# Altium PCB HMI_Board.PcbDoc (part 1 of 3) (continued)
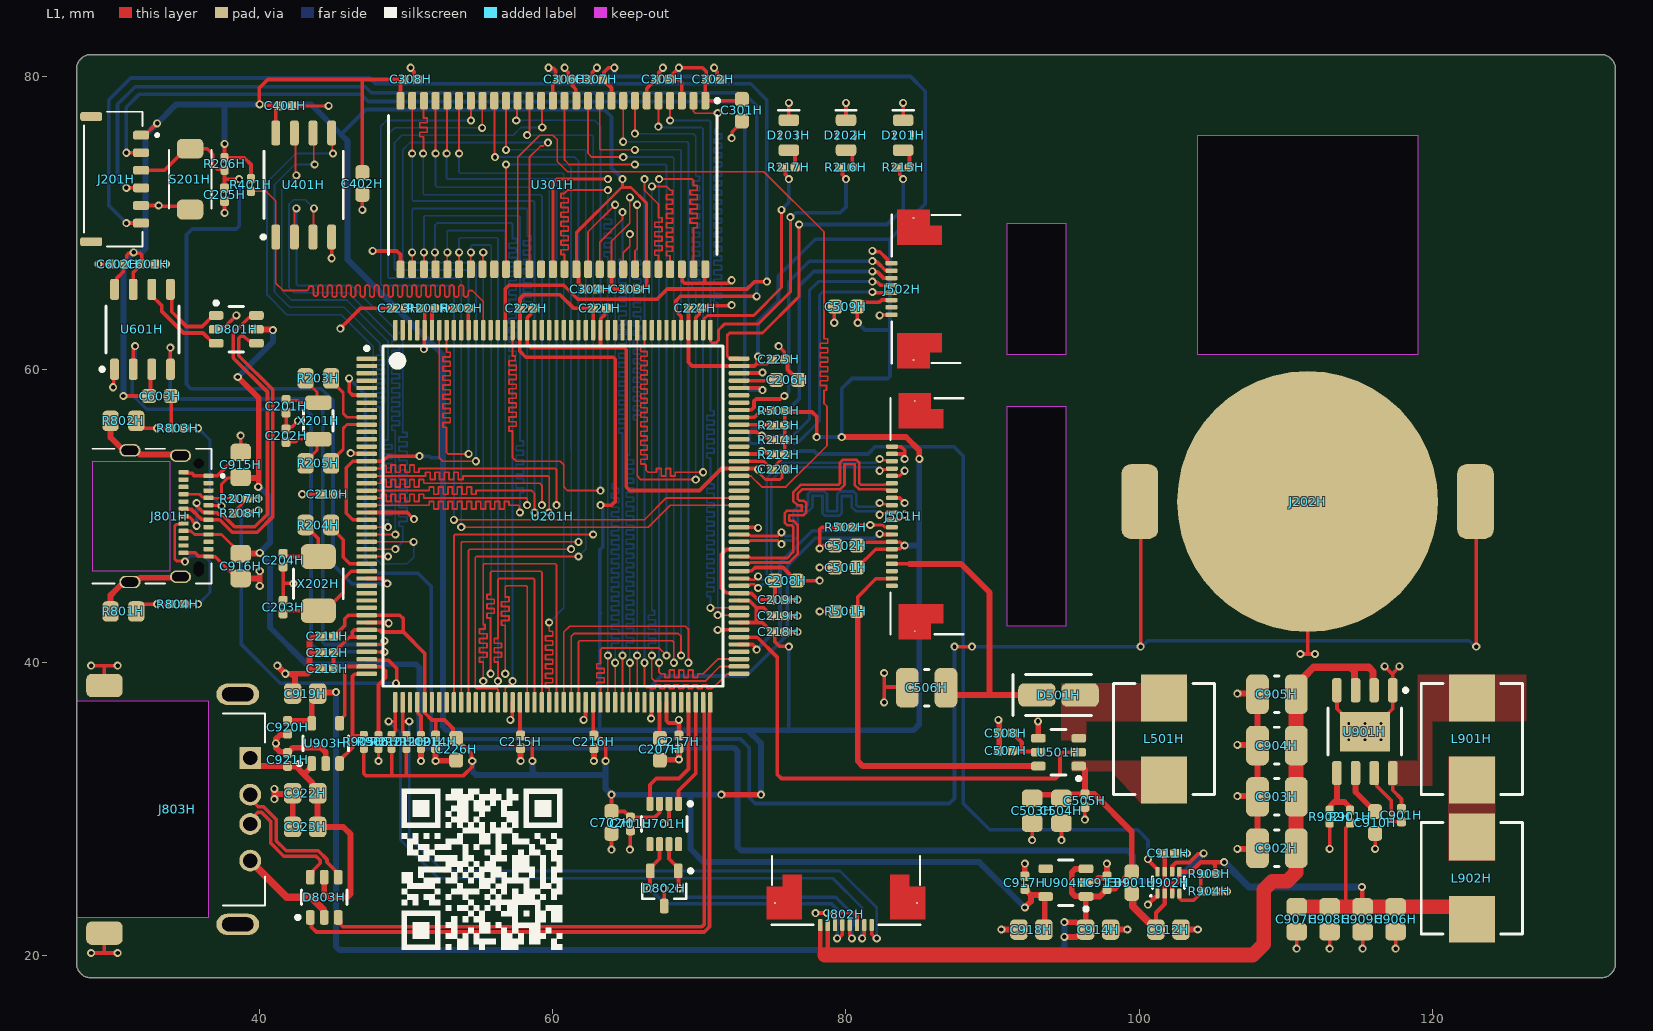
[diagram p0: L1 view]
## Components (designator, comment, footprint, x,y, rotation, side; value= is the part's Value field where it differs from the comment)
C201H "3pF Cap" "0402 CAPACITOR" 41.8,57.5 r90 top value=3pF
C202H "3pF Cap" "0402 CAPACITOR" 41.8,55.5 r270 top value=3pF
C203H "10pF Cap" "0402 CAPACITOR" 41.6,43.8 r270 top value=10pF
C204H "10pF Cap" "0402 CAPACITOR" 41.6,47 r90 top value=10pF
C205H "100nF Cap" "0402 CAPACITOR" 37.6,71.94 r90 top value=100nF
C206H "2.2uF Cap" "0603 CAPACITOR" 76,59.3 r180 top value=2.2uF
C207H "2.2uF Cap" "0603 CAPACITOR" 67.3,34.1 r90 top value=2.2uF
C208H "2.2uF Cap" "0603 CAPACITOR" 75.9,45.6 r180 top value=2.2uF
C209H "100nF Cap" "0402 CAPACITOR" 75.4,44.3 r180 top value=100nF
C210H "100nF Cap" "0402 CAPACITOR" 44.6,51.5 r0 top value=100nF
C211H "100nF Cap" "0402 CAPACITOR" 44.6,41.8 r0 top value=100nF
C212H "100nF Cap" "0402 CAPACITOR" 44.6,40.7 r0 top value=100nF
C213H "100nF Cap" "0402 CAPACITOR" 44.6,39.6 r0 top value=100nF
C214H "100nF Cap" "0402 CAPACITOR" 52,34.6 r90 top value=100nF
C215H "100nF Cap" "0402 CAPACITOR" 57.8,34.6 r90 top value=100nF
C216H "100nF Cap" "0402 CAPACITOR" 62.8,34.6 r90 top value=100nF
C217H "100nF Cap" "0402 CAPACITOR" 68.6,34.6 r90 top value=100nF
C218H "100nF Cap" "0402 CAPACITOR" 75.4,42.1 r180 top value=100nF
C219H "100nF Cap" "0402 CAPACITOR" 75.4,43.2 r180 top value=100nF
C220H "100nF Cap" "0402 CAPACITOR" 75.4,53.2 r180 top value=100nF
C221H "100nF Cap" "0402 CAPACITOR" 63.2,64.2 r180 top value=100nF
C222H "100nF Cap" "0402 CAPACITOR" 58.2,64.2 r180 top value=100nF
C223H "100nF Cap" "0402 CAPACITOR" 49.5,64.2 r0 top value=100nF
C224H "100nF Cap" "0402 CAPACITOR" 69.7,64.2 r180 top value=100nF
C225H "100nF Cap" "0402 CAPACITOR" 75.4,60.7 r180 top value=100nF
C226H "2.2uF Cap" "0603 CAPACITOR" 53.4,34.1 r90 top value=2.2uF
C301H "2.2uF Cap" "0603 CAPACITOR" 72.9,77.7 r90 top value=2.2uF
C302H "100nF Cap" "0402 CAPACITOR" 70.95,79.8 r180 top value=100nF
C303H "100nF Cap" "0402 CAPACITOR" 65.3,65.5 r0 top value=100nF
C304H "100nF Cap" "0402 CAPACITOR" 62.6,65.5 r180 top value=100nF
C305H "100nF Cap" "0402 CAPACITOR" 67.5,79.8 r0 top value=100nF
C306H "100nF Cap" "0402 CAPACITOR" 60.8,79.8 r180 top value=100nF
C307H "100nF Cap" "0402 CAPACITOR" 62.95,79.8 r0 top value=100nF
C308H "100nF Cap" "0402 CAPACITOR" 50.3,79.8 r180 top value=100nF
C401H "100nF Cap" "0402 CAPACITOR" 41.75,78 r180 top value=100nF
C402H "2.2uF Cap" "0603 CAPACITOR" 47,72.7 r90 top value=2.2uF
C501H "2.2uF Cap" "0603 CAPACITOR" 80,46.5 r0 top value=2.2uF
C502H "2.2uF Cap" "0603 CAPACITOR" 80,48 r0 top value=2.2uF
C503H "22uF Cap" "0805 CAPACITOR" 92.7,29.9 r90 top value=22uF
C504H "22uF Cap" "0805 CAPACITOR" 94.7,29.9 r90 top value=22uF
C505H "100nF Cap" "0402 CAPACITOR" 96.3,30.6 r90 top value=100nF
C506H "10uF HV Cap" "1210 Capacitor" 85.5,38.3 r0 top value=10uF
C507H "100nF Cap" "0402 CAPACITOR" 90.9,34 r0 top value=100nF
C508H "100nF Cap" "0402 CAPACITOR" 90.9,35.2 r0 top value=100nF
C509H "2.2uF Cap" "0603 CAPACITOR" 80,64.3 r0 top value=2.2uF
C601H "100nF Cap" "0402 CAPACITOR" 32.4,67.2 r180 top value=100nF
C602H "100nF Cap" "0402 CAPACITOR" 30.3,67.2 r0 top value=100nF
C603H "2.2uF Cap" "0603 CAPACITOR" 33.2,58.2 r180 top value=2.2uF
C701H "100nF Cap" "0402 CAPACITOR" 65.3,29 r90 top value=100nF
C702H "2.2uF Cap" "0603 CAPACITOR" 64,29.1 r90 top value=2.2uF
C901H "100nF Cap" "0402 CAPACITOR" 117.9,29.6 r90 top value=100nF
C902H "10uF HV Cap" "1210 CAPACITOR" 109.4,27.35 r0 top value=10uF
C903H "10uF HV Cap" "1210 CAPACITOR" 109.4,30.85 r0 top value=10uF
C904H "10uF HV Cap" "1210 CAPACITOR" 109.4,34.35 r0 top value=10uF
C905H "10uF HV Cap" "1210 CAPACITOR" 109.4,37.85 r0 top value=10uF
C906H "22uF Cap" "0805 CAPACITOR" 117.5,22.5 r90 top value=22uF
C907H "22uF Cap" "0805 CAPACITOR" 110.75,22.5 r90 top value=22uF
C908H "22uF Cap" "0805 CAPACITOR" 113,22.5 r90 top value=22uF
C909H "22uF Cap" "0805 CAPACITOR" 115.25,22.5 r90 top value=22uF
C910H "2.2uF Cap" "0603 CAPACITOR" 116.1,29.1 r90 top value=2.2uF
C911H "100nF Cap" "0402 CAPACITOR" 102,27 r180 top value=100nF
C912H "22uF Cap" "0805 CAPACITOR" 102,21.8 r180 top value=22uF
C913H "100nF Cap" "0402 CAPACITOR" 97.8,25 r270 top value=100nF
C914H "22uF Cap" "0805 CAPACITOR" 97.2,21.8 r180 top value=22uF
C915H "22uF Cap" "0805 CAPACITOR" 38.7,53.5 r270 top value=22uF
C916H "22uF Cap" "0805 CAPACITOR" 38.7,46.6 r90 top value=22uF
C917H "100nF Cap" "0402 CAPACITOR" 92.2,25 r270 top value=100nF
C918H "22uF Cap" "0805 CAPACITOR" 92.65,21.8 r0 top value=22uF
C919H "22uF Cap" "0805 CAPACITOR" 43.1,37.9 r0 top value=22uF
C920H "100nF Cap" "0402 CAPACITOR" 41.9,35.6 r90 top locked value=100nF
C921H "100nF Cap" "0402 CAPACITOR" 41.9,33.4 r270 top locked value=100nF
C922H "22uF Cap" "0805 CAPACITOR" 43.1,31.1 r0 top value=22uF
C923H "22uF Cap" "0805 CAPACITOR" 43.1,28.8 r0 top value=22uF
D201H "NCD0805R1" "0805 LED" 83.9,76 r90 top
D202H "NCD0805R1" "0805 LED" 80,76 r90 top
D203H "NCD0805R1" "0805 LED" 76.1,76 r90 top
D501H "SS210" "DO-214AC DIODE" 94.5,37.8 r180 top
D801H "USBLC6-2SC6" SOT23-6 38.4,62.75 r0 top
D802H "ESD2CANXL24DBZRQ1" SOT23-3 67.6,24.6 r270 top
D803H "USBLC6-2SC6" SOT23-6 44.4,24 r90 top locked
FB901H "BLM18KG300TN1D" "0603 FERRITE BEAD" 99.5,25 r90 top
J201H "SWD Header" "6 PIN SWD CONNECTOR" 30,73 r270 top
J202H "Battery header" "BAT-HLD-002-SMT BATTERY HOLDER" 111.5,51 r180 top
J501H "527452097" "527452097 20 PIN FPC" 88,50 r90 top locked
J502H "527450897_LCD" "527450897 FPC" 88,65.5 r90 top locked
J801H "12401826E412A" "12401826E412A USBC" 32.25,50 r270 top locked
J802H "527450897_CAN" "527450897 FPC" 80,27 r180 top locked
J803H "GSB12621A1EU" "GSB12621A1EU USB CONNECTOR" 38.5,30 r270 top locked
L501H "10uH Inductor" "SRP7028A INDUCTOR" 101.7,34.8 r90 top value=10uH
L901H "10uH Inductor" "SRP7028A INDUCTOR" 122.7,34.8 r270 top value=10uH
L902H "10uH Inductor" "SRP7028A INDUCTOR" 122.7,25.3 r270 top value=10uH
R201H "10k Res" "0402 RESISTOR" 51.5,64.2 r180 top value=10K
R202H "10k Res" "0402 RESISTOR" 53.8,64.2 r180 top value=10K
R203H "0 Res" "0805 RESISTOR" 44,59.4 r0 top value=0
R204H "0 Res" "0805 RESISTOR" 44,49.4 r180 top value=0
R205H "0 Res" "0805 RESISTOR" 44,53.6 r0 top value=0
R206H "10k Res" "0402 RESISTOR" 37.6,74.04 r90 top value=10K
R207H "12k Res" "0402 RESISTOR" 38.7,51.2 r180 top value=12K
R208H "18k Res" "0402 RESISTOR" 38.7,50.2 r180 top value=18k
R209H "10k Res" "0402 RESISTOR" 51,34.6 r90 top value=10K
R210H "5.1k Res" "0402 RESISTOR" 49,34.6 r270 top value=5.1k
R211H "5.1k Res" "0402 RESISTOR" 50,34.6 r270 top value=5.1k
R212H "10k Res" "0402 RESISTOR" 75.4,54.2 r0 top value=10K
R213H "5.1k Res" "0402 RESISTOR" 75.4,56.2 r0 top value=5.1k
R214H "5.1k Res" "0402 RESISTOR" 75.4,55.2 r0 top value=5.1k
R215H "1k Res" "0402 RESISTOR" 83.9,73.8 r180 top value=1k
R216H "1k Res" "0402 RESISTOR" 80,73.8 r180 top value=1k
R217H "1k Res" "0402 RESISTOR" 76.1,73.8 r180 top value=1k
R401H "10k Res" "0402 RESISTOR" 39.4,72.6 r90 top value=10K
R501H "1.1 Res" "0603 RESISTOR" 80,43.5 r0 top value=1.1
R502H "10k Res" "0402 RESISTOR" 80,49.25 r0 top value=10K
R503H "10k Res" "0402 RESISTOR" 75.4,57.2 r0 top value=10K
R801H "0 Res" "0805 RESISTOR" 30.7,43.5 r180 top value=0
R802H "0 Res" "0805 RESISTOR" 30.7,56.5 r180 top value=0
R803H "5.1k Res" "0402 RESISTOR" 34.4,56 r0 top value=5.1k
R804H "5.1k Res" "0402 RESISTOR" 34.4,44 r0 top value=5.1k
R901H "10k Res" "0402 RESISTOR" 114.4,29.5 r270 top value=10K
R902H "2.49k Res" "0402 RESISTOR" 113,29.5 r90 top value=2.49K
R903H "30k Res" "0402 RESISTOR" 104.8,25.6 r0 top value=30k
R904H "10k Res" "0402 RESISTOR" 104.8,24.4 r180 top value=10K
R905H "10k Res" "0402 RESISTOR" 47.1,34.6 r270 top value=10K
R906H "10k Res" "0402 RESISTOR" 48.1,34.6 r90 top value=10K
S201H "TS-1088-AR02016" "TS-1088-AR02016 PUSHBUTTON" 35.25,73 r270 top
U201H "STM32F469IIT6" LQFP176 60,50 r0 top locked
U301H "IS42S16800F-7TLI" TSOP54 60,72.6 r270 top locked
U401H "IS25LP128-JBLE-TR" SOIC8 43,72.6 r90 top locked
U501H "TPS61165DBVR" SOT23-6 94.5,33.9 r180 top
U601H "PL2303GL" SOP8 32,62.75 r90 top
U701H "TCAN332" SOT23-8 67.6,29 r270 top
U901H "LMR36520FADDAR" "SOIC8 WITH THERMAL PAD" 115.4,35.3 r270 top
U902H "TPS2117DRLR" "SOT 5X3" 102,25 r90 top
U903H "TPS2051CDBVR" SOT23-5 44.5,34.5 r90 top locked
U904H "TLV75733PDBVR" SOT23-5 95,25 r180 top
X201H "NX3215SA-32.768K_1" "3.2X1.5X0.8MM CRYSTAL" 44,56.5 r90 top
X202H "X50328MSB2GI" "5X3.2X1.2MM CRYSTAL" 44,45.4 r90 top

## Footprints (in the part's own frame and the unit in brackets; to place one, negate y for a bottom-side part, rotate by r counter-clockwise, add the part's x,y. Pads: shape width x height; smd on the part's side, far side on the other; paste and mask are expansions set on the pad)
"3.2X1.5X0.8MM CRYSTAL" [mm]
  rrect50% 1x1.8 smd: 1(-1.25,0) 2(1.25,0)
  silkscreen extent -0.7,-1 0.7,1, body extent -1.6,-0.75 1.6,0.75, height 0.8
"5X3.2X1.2MM CRYSTAL" [mm]
  rrect50% 1.7x2.4 smd: 1(-1.85,0) 2(1.85,0)
  silkscreen extent -1,-1.7 1,1.7, body extent -2.5,-1.6 2.5,1.6, height 0.8
"6 PIN SWD CONNECTOR" [mm]
  rrect50% 0.6x1.1 smd: 1(-3,1.9) 2(-1.8,1.9) 3(-0.6,1.9) 4(0.6,1.9) 5(1.8,1.9) 6(3,1.9)
  rrect50% 0.6x1.5 smd: MP1(-4.27,-1.5) MP2(4.27,-1.5)
  silkscreen extent -4.6,-2 4.6,3.1, body extent -4.6,-2 4.6,2.2, height 2.5
"0402 CAPACITOR" [mm] "Chip Capacitor, 2-Leads, Body 1.00x0.50mm, IPC Medium Density"
  rrect50% 0.66x0.62 smd: 1(-0.44,0) 2(0.44,0)
  body extent -0.5,-0.25 0.5,0.25, height 0.5
"0402 RESISTOR" [mm] "Chip Resistor, 2-Leads, Body 1.00x0.50mm, IPC Medium Density"
  rrect50% 0.65x0.55 smd: 1(-0.425,0) 2(0.425,0)
  body extent -0.5,-0.25 0.5,0.25, height 0.35
"0603 CAPACITOR" [mm] "Chip Capacitor, 2-Leads, Body 1.60x0.80mm, IPC Medium Density"
  rrect50% 1x0.95 smd: 1(-0.75,0) 2(0.75,0)
  body extent -0.8,-0.4 0.8,0.4, height 0.8
"0603 FERRITE BEAD" [mm] "Chip Ferrite Bead, 2-Leads, Body 1.60x0.80mm, IPC Medium Density"
  rrect50% 1.02x0.98 smd: 1(-0.74,0) 2(0.74,0)
  body extent -0.8,-0.4 0.8,0.4, height 0.8
"0603 RESISTOR" [mm] "Chip Resistor, 2-Leads, Body 1.60x0.80mm, IPC Medium Density"
  rrect50% 0.95x0.9 smd: 1(-0.725,0) 2(0.725,0)
  body extent -0.8,-0.4 0.8,0.4, height 0.45
"0805 CAPACITOR" [mm] "Chip Capacitor, 2-Leads, Body 2.00x1.25mm, IPC Medium Density"
  rrect50% 1.2x1.4 smd: 1(-0.85,0) 2(0.85,0)
  body extent -1,-0.63 1,0.63, height 1.25
"0805 LED" [mm] "Chip LED. 2-Leads, Body 2.00x1.25mm, IPC Medium Density"
  rrect50% 0.8x1.4 smd: 1(-1.025,0) 2(1.025,0)
  silkscreen extent -0.25,-0.7 1.7,0.7, body extent -1,-0.63 1,0.63, height 0.78
"0805 RESISTOR" [mm] "Chip Resistor, 2-Leads, Body 2.00x1.25mm, IPC Medium Density"
  rrect50% 1.1x1.4 smd: 1(-0.875,0) 2(0.875,0)
  body extent -1,-0.63 1,0.63, height 0.5
"1210 Capacitor" [mm] "Chip Capacitor, 2-Leads, Body 3.20x2.50mm, IPC Medium Density"
  rrect50% 1.55x2.7 smd: 1(-1.325,0) 2(1.325,0)
  silkscreen extent -0.15,-1.25 0.15,1.25, body extent -1.6,-1.25 1.6,1.25, height 1.9
"1210 CAPACITOR" [mm] "Chip Capacitor, 2-Leads, Body 3.20x2.50mm, IPC Medium Density"
  rrect50% 1.55x2.7 smd: 1(-1.325,0) 2(1.325,0)
  silkscreen extent -0.15,-1.25 0.15,1.25, body extent -1.6,-1.25 1.6,1.25, height 1.9
"12401826E412A USBC" [mm]
  rrect50% 0.3x0.7 smd mask+0.049: A1(-2.75,4.25) A2(-2.25,4.25) A3(-1.75,4.25) A4(-1.25,4.25) A5(-0.75,4.25) A6(-0.25,4.25) A7(0.25,4.25) A8(0.75,4.25) A9(1.25,4.25) A10(1.75,4.25) A11(2.25,4.25) A12(2.75,4.25) B1(2.5,2.55) B2(2,2.55) B3(1.5,2.55) B4(1,2.55) B5(0.5,2.55) B6(0,2.55) B7(-0.5,2.55) B8(-1,2.55) B9(-1.5,2.55) B10(-2,2.55) B11(-2.5,2.55) B12(-3,2.55)
  oval 0.85x1.45 hole 0.62 slot 1.15 at 90 deg: SH1(-4.49,-1.11) SH2(4.49,-1.11)
  oval 0.85x1.45 hole 0.62 slot 1.15 at 90 deg mask+0.05: SH3(-4.13,2.34) SH4(4.13,2.34)
  round 0 / inner round 0.9 / far side round 0 hole 0.7 unplated mask+0.05: ""(-3.6,3.59)
  round 0 / inner round 0.9 / far side round 0 hole 0.7 slot 1 at 0 deg unplated mask+0.05: ""(3.6,3.59)
  Keep-Out Layer region: 3.75,-3.65 -3.75,-3.65 -3.75,1.6 3.75,1.6
  silkscreen extent -4.6,-3.65 4.6,5.33, body extent -4.6,-6 4.6,4.5, height 3.3
"527450897 FPC" [mil]
  rrect50% 12x32 smd mask+4: 1(-68.9,192.79) 2(-49.21,192.79) 3(-29.53,192.79) 4(-9.84,192.79) 5(9.84,192.79) 6(29.53,192.79) 7(49.21,192.79) 8(68.9,192.79)
  rect 5x5 smd: P1(-190.94,133.73) P2(190.94,133.73)
  L1 region: -118.44,57.17 -169.44,57.17 -169.44,90.23 -212.44,90.23 -212.44,177.23 -118.44,177.23
  L1 region: 212.44,90.23 169.44,90.23 169.44,57.17 118.44,57.17 118.44,177.23 212.44,177.23
  silkscreen extent -200,7 200,192, body extent -199,-2 199,195, height 75
"527452097 20 PIN FPC" [mm]
  rrect50% 0.3x0.8 smd: 1(-4.75,4.868) 2(-4.25,4.868) 3(-3.75,4.868) 4(-3.25,4.868) 5(-2.75,4.868) 6(-2.25,4.868) 7(-1.75,4.868) 8(-1.25,4.868) 9(-0.75,4.868) 10(-0.25,4.868) 11(0.25,4.868) 12(0.75,4.868) 13(1.25,4.868) 14(1.75,4.868) 15(2.25,4.868) 16(2.75,4.868) 17(3.25,4.868) 18(3.75,4.868) 19(4.25,4.868) 20(4.75,4.868)
  rect 0.127x0.127 smd: P1(-7.85,3.313) P2(7.85,3.313)
  L1 region: 8.396,2.208 7.304,2.208 7.304,1.368 6.009,1.368 6.009,4.418 8.396,4.418
  L1 region: -6.008,1.368 -7.304,1.368 -7.304,2.208 -8.396,2.208 -8.396,4.418 -6.008,4.418
  silkscreen extent -8.05,-0.02 8.05,4.96, body extent -8.05,-0.11 8.05,4.89, height 1.91
"BAT-HLD-002-SMT BATTERY HOLDER" [mm]
  round 17.8 smd paste-10: N(0,0)
  rrect50% 2.5x5.1 smd: P1(-11.45,0) P2(11.45,0)
  body extent -11.43,-7.87 11.43,7.62, height 2.79
"DO-214AC DIODE" [mm] "Molded Diode, 2-Leads, Body 4.15x2.55mm, IPC Medium Density"
  rrect50% 2.55x1.6 smd: 1(-1.475,0) 2(1.475,0)
  silkscreen extent -2.25,-1.4 3.1,1.4, body extent -2.6,-1.3 2.6,1.3, height 2.29
"GSB12621A1EU USB CONNECTOR" [mm]
  rect 1.488x1.488 hole 0.98 mask+0.102: 1(-3.5,0.85)
  round 1.488 hole 0.98 mask+0.102: 2(-1,0.85) 3(1,0.85) 4(3.5,0.85)
  oval 1.458x2.916 hole 0.95 slot 2.15 at 90 deg mask+0.102: S1(-7.85,0) S2(7.85,0)
  rrect50% 1.6x2.5 smd paste+0 mask+0.102: S3(-8.45,-9.1) S4(8.45,-9.1)
  silkscreen extent -6.55,-1 6.55,1.85, body extent -8.6,-12.15 8.6,1.85, height 4.32
LQFP176 [mm] "TSQFP, 176-Leads, Body 24.00x24.00mm, Pitch 0.50mm, IPC Medium Density"
  rrect50% 1.4x0.3 smd: 1(-12.7,10.75) 2(-12.7,10.25) 3(-12.7,9.75) 4(-12.7,9.25) 5(-12.7,8.75) 6(-12.7,8.25) 7(-12.7,7.75) 8(-12.7,7.25) 9(-12.7,6.75) 10(-12.7,6.25) 11(-12.7,5.75) 12(-12.7,5.25) 13(-12.7,4.75) 14(-12.7,4.25) 15(-12.7,3.75) 16(-12.7,3.25) 17(-12.7,2.75) 18(-12.7,2.25) 19(-12.7,1.75) 20(-12.7,1.25) 21(-12.7,0.75) 22(-12.7,0.25) 23(-12.7,-0.25) 24(-12.7,-0.75) 25(-12.7,-1.25) 26(-12.7,-1.75) 27(-12.7,-2.25) 28(-12.7,-2.75) 29(-12.7,-3.25) 30(-12.7,-3.75) 31(-12.7,-4.25) 32(-12.7,-4.75) 33(-12.7,-5.25) 34(-12.7,-5.75) 35(-12.7,-6.25) 36(-12.7,-6.75) 37(-12.7,-7.25) 38(-12.7,-7.75) 39(-12.7,-8.25) 40(-12.7,-8.75) 41(-12.7,-9.25) 42(-12.7,-9.75) 43(-12.7,-10.25) 44(-12.7,-10.75) 89(12.7,-10.75) 90(12.7,-10.25) 91(12.7,-9.75) 92(12.7,-9.25) 93(12.7,-8.75) 94(12.7,-8.25) 95(12.7,-7.75) 96(12.7,-7.25) 97(12.7,-6.75) 98(12.7,-6.25) 99(12.7,-5.75) 100(12.7,-5.25) 101(12.7,-4.75) 102(12.7,-4.25) 103(12.7,-3.75) 104(12.7,-3.25) 105(12.7,-2.75) 106(12.7,-2.25) 107(12.7,-1.75) 108(12.7,-1.25) 109(12.7,-0.75) 110(12.7,-0.25) 111(12.7,0.25) 112(12.7,0.75) 113(12.7,1.25) 114(12.7,1.75) 115(12.7,2.25) 116(12.7,2.75) 117(12.7,3.25) 118(12.7,3.75) 119(12.7,4.25) 120(12.7,4.75) 121(12.7,5.25) 122(12.7,5.75) 123(12.7,6.25) 124(12.7,6.75) 125(12.7,7.25) 126(12.7,7.75) 127(12.7,8.25) 128(12.7,8.75) 129(12.7,9.25) 130(12.7,9.75) 131(12.7,10.25) 132(12.7,10.75)
  rrect50% 0.3x1.4 smd: 45(-10.75,-12.7) 46(-10.25,-12.7) 47(-9.75,-12.7) 48(-9.25,-12.7) 49(-8.75,-12.7) 50(-8.25,-12.7) 51(-7.75,-12.7) 52(-7.25,-12.7) 53(-6.75,-12.7) 54(-6.25,-12.7) 55(-5.75,-12.7) 56(-5.25,-12.7) 57(-4.75,-12.7) 58(-4.25,-12.7) 59(-3.75,-12.7) 60(-3.25,-12.7) 61(-2.75,-12.7) 62(-2.25,-12.7) 63(-1.75,-12.7) 64(-1.25,-12.7) 65(-0.75,-12.7) 66(-0.25,-12.7) 67(0.25,-12.7) 68(0.75,-12.7) 69(1.25,-12.7) 70(1.75,-12.7) 71(2.25,-12.7) 72(2.75,-12.7) 73(3.25,-12.7) 74(3.75,-12.7) 75(4.25,-12.7) 76(4.75,-12.7) 77(5.25,-12.7) 78(5.75,-12.7) 79(6.25,-12.7) 80(6.75,-12.7) 81(7.25,-12.7) 82(7.75,-12.7) 83(8.25,-12.7) 84(8.75,-12.7) 85(9.25,-12.7) 86(9.75,-12.7) 87(10.25,-12.7) 88(10.75,-12.7) 133(10.75,12.7) 134(10.25,12.7) 135(9.75,12.7) 136(9.25,12.7) 137(8.75,12.7) 138(8.25,12.7) 139(7.75,12.7) 140(7.25,12.7) 141(6.75,12.7) 142(6.25,12.7) 143(5.75,12.7) 144(5.25,12.7) 145(4.75,12.7) 146(4.25,12.7) 147(3.75,12.7) 148(3.25,12.7) 149(2.75,12.7) 150(2.25,12.7) 151(1.75,12.7) 152(1.25,12.7) 153(0.75,12.7) 154(0.25,12.7) 155(-0.25,12.7) 156(-0.75,12.7) 157(-1.25,12.7) 158(-1.75,12.7) 159(-2.25,12.7) 160(-2.75,12.7) 161(-3.25,12.7) 162(-3.75,12.7) 163(-4.25,12.7) 164(-4.75,12.7) 165(-5.25,12.7) 166(-5.75,12.7) 167(-6.25,12.7) 168(-6.75,12.7) 169(-7.25,12.7) 170(-7.75,12.7) 171(-8.25,12.7) 172(-8.75,12.7) 173(-9.25,12.7) 174(-9.75,12.7) 175(-10.25,12.7) 176(-10.75,12.7)
  silkscreen extent -12.82,-11.6 11.6,11.6, body extent -13.01,-13.01 13.01,13.01, height 1.38
SOIC8 [mm] "SOIC, 8-Leads, Body 5.28x5.28mm, Pitch 1.27mm, IPC Medium Density"
  rrect50% 1.7x0.6 smd: 1(-3.55,1.905) 2(-3.55,0.635) 3(-3.55,-0.635) 4(-3.55,-1.905) 5(3.55,-1.905) 6(3.55,-0.635) 7(3.55,0.635) 8(3.55,1.905)
  silkscreen extent -3.67,-2.7 2.3,2.88, body extent -3.76,-2.7 3.76,2.7, height 1.7
"SOIC8 WITH THERMAL PAD" [mm] "SOIC, 8-Leads, Body 4.90x3.90mm, Pitch 1.27mm, Thermal Pad 3.40x2.71mm, IPC Low Density"
  rrect50% 1.65x0.65 smd: 1(-2.825,1.905) 2(-2.825,0.635) 3(-2.825,-0.635) 4(-2.825,-1.905) 5(2.825,-1.905) 6(2.825,-0.635) 7(2.825,0.635) 8(2.825,1.905)
  rect 2.71x3.4 smd: 9(0,0)
  silkscreen extent -2.95,-2.5 1.6,2.91, body extent -3.01,-2.45 3.01,2.45, height 1.7
SOP8 [mm] "SOP, 8-Leads, Body 4.90x3.90mm, Pitch 1.27mm, IPC Medium Density"
  rrect50% 1.45x0.6 smd: 1(-2.725,1.905) 2(-2.725,0.635) 3(-2.725,-0.635) 4(-2.725,-1.905) 5(2.725,-1.905) 6(2.725,-0.635) 7(2.725,0.635) 8(2.725,1.905)
  silkscreen extent -2.85,-2.5 1.6,2.88, body extent -3.1,-2.5 3.1,2.5, height 1.81
SOT23-3 [mm] "SOT23, 3-Leads, Body 2.00x2.10mm, Pitch 0.65mm, IPC Medium Density"
  rrect50% 1x0.6 smd: 1(-1.2,0.95) 2(-1.2,-0.95) 3(1.2,0)
  silkscreen extent -1.32,-1.5 0.7,1.93, body extent -1.25,-1.5 1.25,1.5, height 1.1
SOT23-5 [mm] "SOT23, 5-Leads, Body 2.90x2.80mm, Pitch 0.95mm, IPC Medium Density"
  rrect50% 1x0.6 smd: 1(-1.375,0.95) 2(-1.375,0) 3(-1.375,-0.95) 4(1.375,-0.95) 5(1.375,0.95)
  silkscreen extent -1.5,-1.55 0.5,1.92, body extent -1.25,-1.5 1.25,1.5, height 1.1
SOT23-6 [mm] "SOT23, 6-Leads, Body 2.93x2.80mm, Pitch 0.95mm, IPC Medium Density"
  rrect50% 1x0.6 smd: 1(-1.375,0.95) 2(-1.375,0) 3(-1.375,-0.95) 4(1.375,-0.95) 5(1.375,0) 6(1.375,0.95)
  silkscreen extent -1.5,-1.55 0.5,1.92, body extent -1.25,-1.5 1.25,1.5, height 1.1
SOT23-8 [mm]
  rrect50% 0.95x0.5 smd mask+0.102: 1(-1.375,0.975) 2(-1.375,0.325) 3(-1.375,-0.325) 4(-1.375,-0.975) 5(1.375,-0.975) 6(1.375,-0.325) 7(1.375,0.325) 8(1.375,0.975)
  silkscreen extent -1.5,-1.55 0.5,1.9, body extent -1.25,-1.5 1.25,1.5, height 1.1
"SOT 5X3" [mm]
  rrect50% 0.67x0.3 smd mask+0.049: 1(-0.74,0.75) 2(-0.74,0.25) 3(-0.74,-0.25) 4(-0.74,-0.75) 5(0.74,-0.75) 6(0.74,-0.25) 7(0.74,0.25) 8(0.74,0.75)
  silkscreen extent -0.96,-1.1 0.4,1.26, body extent -0.8,-1.05 0.8,1.05, height 0.6
"SRP7028A INDUCTOR" [mm] "Precision Wire Wound Inductor, 2-Leads, Body 7.30x6.60mm, IPC Medium Density"
  rect 3.2x3.15 smd: 1(-2.8,0) 2(2.8,0)
  silkscreen extent -3.8,-3.45 3.8,3.45, body extent -3.65,-3.35 3.65,3.25, height 3
"TS-1088-AR02016 PUSHBUTTON" [mm]
  rrect50% 1.35x1.8 smd: 1(-2.075,0) 2(2.075,0)
  silkscreen extent -2,-1.45 2,1.45, body extent -2.4,-1.45 2.4,1.45, height 2
TSOP54 [mm] "TSOP, 54-Leads, Body 22.22x10.16mm, Pitch 0.80mm, IPC Medium Density"
  rrect50% 1.2x0.55 smd: 1(-5.75,10.4) 2(-5.75,9.6) 3(-5.75,8.8) 4(-5.75,8) 5(-5.75,7.2) 6(-5.75,6.4) 7(-5.75,5.6) 8(-5.75,4.8) 9(-5.75,4) 10(-5.75,3.2) 11(-5.75,2.4) 12(-5.75,1.6) 13(-5.75,0.8) 14(-5.75,0) 15(-5.75,-0.8) 16(-5.75,-1.6) 17(-5.75,-2.4) 18(-5.75,-3.2) 19(-5.75,-4) 20(-5.75,-4.8) 21(-5.75,-5.6) 22(-5.75,-6.4) 23(-5.75,-7.2) 24(-5.75,-8) 25(-5.75,-8.8) 26(-5.75,-9.6) 27(-5.75,-10.4) 28(5.75,-10.4) 29(5.75,-9.6) 30(5.75,-8.8) 31(5.75,-8) 32(5.75,-7.2) 33(5.75,-6.4) 34(5.75,-5.6) 35(5.75,-4.8) 36(5.75,-4) 37(5.75,-3.2) 38(5.75,-2.4) 39(5.75,-1.6) 40(5.75,-0.8) 41(5.75,0) 42(5.75,0.8) 43(5.75,1.6) 44(5.75,2.4) 45(5.75,3.2) 46(5.75,4) 47(5.75,4.8) 48(5.75,5.6) 49(5.75,6.4) 50(5.75,7.2) 51(5.75,8) 52(5.75,8.8) 53(5.75,9.6) 54(5.75,10.4)
  silkscreen extent -5.87,-11.2 4.75,11.35, body extent -5.88,-11.11 5.88,11.11, height 1.2

## Part data
C201H C202H: "0402 3 pF 50V ±0.1 pF Tolerance C0G SMT Multilayer Ceramic Capacitor", Manufacturer=Murata, Manufacturer Part Number=GJM1555C1H3R0BB01D, Supplier Part Number=C88891, ComponentLink1Description=https://datasheet.octopart.com:443/GJM1555C1H3R0BB01D-Murata-datasheet-39128464.pdf?src-supplier=Newark, ComponentLink1URL=https://datasheet.octopart.com:443/GJM1555C1H3R0BB01D-Murata-datasheet-39128464.pdf?src-supplier=Newark, ComponentLink2Description=https://datasheet.octopart.com:443/GJM1555C1H3R0BB01D-Murata-datasheet-62316978.pdf?src-supplier=element14+APAC, ComponentLink2URL=https://datasheet.octopart.com:443/GJM1555C1H3R0BB01D-Murata-datasheet-62316978.pdf?src-supplier=element14+APAC, ComponentLink3Description=https://datasheet.octopart.com:443/GJM1555C1H3R0BB01D-Murata-datasheet-165579666.pdf?src-supplier=TME, ComponentLink3URL=https://datasheet.octopart.com:443/GJM1555C1H3R0BB01D-Murata-datasheet-165579666.pdf?src-supplier=TME, ComponentLink4Description=https://datasheet.octopart.com:443/GJM1555C1H3R0BB01D-Murata-datasheet-12511495.pdf?src-supplier=TME, ComponentLink4URL=https://datasheet.octopart.com:443/GJM1555C1H3R0BB01D-Murata-datasheet-12511495.pdf?src-supplier=TME, ComponentLink5Description=https://datasheet.octopart.com:443/GJM1555C1H3R0BB01D-Murata-datasheet-141266224.pdf?src-supplier=Ciiva, ComponentLink5URL=https://datasheet.octopart.com:443/GJM1555C1H3R0BB01D-Murata-datasheet-141266224.pdf?src-supplier=Ciiva, ComponentLink6Description=https://datasheet.octopart.com:443/GJM1555C1H3R0BB01D-Murata-datasheet-140665410.pdf?src-supplier=Ciiva, ComponentLink6URL=https://datasheet.octopart.com:443/GJM1555C1H3R0BB01D-Murata-datasheet-140665410.pdf?src-supplier=Ciiva, ComponentLink7Description=https://datasheet.octopart.com:443/GJM1555C1H3R0BB01D-Murata-datasheet-138724696.pdf?src-supplier=Ciiva, ComponentLink7URL=https://datasheet.octopart.com:443/GJM1555C1H3R0BB01D-Murata-datasheet-138724696.pdf?src-supplier=Ciiva, ComponentLink8Description=https://datasheet.octopart.com:443/GJM1555C1H3R0BB01D-Murata-datasheet-22122223.pdf?src-supplier=Future+Electronics, ComponentLink8URL=https://datasheet.octopart.com:443/GJM1555C1H3R0BB01D-Murata-datasheet-22122223.pdf?src-supplier=Future+Electronics, ComponentLink9Description=https://datasheet.octopart.com:443/GJM1555C1H3R0BB01D-Murata-datasheet-41960703.pdf?src-supplier=Future+Electronics, ComponentLink9URL=https://datasheet.octopart.com:443/GJM1555C1H3R0BB01D-Murata-datasheet-41960703.pdf?src-supplier=Future+Electronics, ComponentLink10Description=https://datasheet.octopart.com/GJM1555C1H3R0BB01D-Murata-datasheet-12515295.pdf, ComponentLink10URL=https://datasheet.octopart.com/GJM1555C1H3R0BB01D-Murata-datasheet-12515295.pdf, ComponentLink11Description=https://datasheet.octopart.com/GJM1555C1H3R0BB01D-Murata-datasheet-12510076.pdf, ComponentLink11URL=https://datasheet.octopart.com/GJM1555C1H3R0BB01D-Murata-datasheet-12510076.pdf, ComponentLink12Description=https://datasheet.octopart.com/GJM1555C1H3R0BB01D-Murata-datasheet-11978611.pdf, ComponentLink12URL=https://datasheet.octopart.com/GJM1555C1H3R0BB01D-Murata-datasheet-11978611.pdf, ComponentLink13Description=https://datasheet.octopart.com/GJM1555C1H3R0BB01D-Murata-datasheet-10025737.pdf, ComponentLink13URL=https://datasheet.octopart.com/GJM1555C1H3R0BB01D-Murata-datasheet-10025737.pdf, ComponentLink14Description=https://datasheet.octopart.com/GJM1555C1H3R0BB01D-Murata-datasheet-8819587.pdf, ComponentLink14URL=https://datasheet.octopart.com/GJM1555C1H3R0BB01D-Murata-datasheet-8819587.pdf, ComponentLink15Description=https://datasheet.octopart.com/GJM1555C1H3R0BB01D-Murata-datasheet-14406039.pdf, ComponentLink15URL=https://datasheet.octopart.com/GJM1555C1H3R0BB01D-Murata-datasheet-14406039.pdf, ComponentLink16Description=http://sigma.octopart.com:80/reach_statement/Murata-company-16.pdf?src-supplier=Compliance+Statements, ComponentLink16URL=http://sigma.octopart.com:80/reach_statement/Murata-company-16.pdf?src-supplier=Compliance+Statements, Supplier=LCSC
C203H C204H: "50V 10pF C0G ±5% 0402 Multilayer Ceramic Capacitors MLCC - SMD/SMT ROHS", Manufacturer="Samsung Electro-Mechanics", Manufacturer Part Number=CL10C100JB8NNNC, Supplier Part Number=C1634, ComponentLink1Description=https://datasheet.octopart.com:443/CL10C100JB8NNNC-Samsung-Electro-Mechanics-datasheet-136482388.pdf?src-supplier=IHS, ComponentLink1URL=https://datasheet.octopart.com:443/CL10C100JB8NNNC-Samsung-Electro-Mechanics-datasheet-136482388.pdf?src-supplier=IHS, ComponentLink2Description=https://datasheet.octopart.com/CL10C100JB8NNNC-Samsung-Electro-Mechanics-datasheet-8324245.pdf, ComponentLink2URL=https://datasheet.octopart.com/CL10C100JB8NNNC-Samsung-Electro-Mechanics-datasheet-8324245.pdf, ComponentLink3Description=https://datasheet.octopart.com/CL10C100JB8NNNC-Samsung-Electro-Mechanics-datasheet-97040617.pdf, ComponentLink3URL=https://datasheet.octopart.com/CL10C100JB8NNNC-Samsung-Electro-Mechanics-datasheet-97040617.pdf, ComponentLink4Description=https://datasheet.octopart.com:443/CL10C100JB8NNNC-Samsung-Electro-Mechanics-datasheet-110326840.pdf?src-supplier=Future+Electronics, ComponentLink4URL=https://datasheet.octopart.com:443/CL10C100JB8NNNC-Samsung-Electro-Mechanics-datasheet-110326840.pdf?src-supplier=Future+Electronics, ComponentLink5Description=https://datasheet.octopart.com:443/CL10C100JB8NNNC-Samsung-Electro-Mechanics-datasheet-81461966.pdf?src-supplier=Future+Electronics, ComponentLink5URL=https://datasheet.octopart.com:443/CL10C100JB8NNNC-Samsung-Electro-Mechanics-datasheet-81461966.pdf?src-supplier=Future+Electronics, ComponentLink6Description=https://datasheet.octopart.com:443/CL10C100JB8NNNC-Samsung-datasheet-48647327.pdf?src-supplier=Future+Electronics, ComponentLink6URL=https://datasheet.octopart.com:443/CL10C100JB8NNNC-Samsung-datasheet-48647327.pdf?src-supplier=Future+Electronics, ComponentLink7Description=https://datasheet.octopart.com:443/CL10C100JB8NNNC-Samsung-datasheet-26669107.pdf?src-supplier=Future+Electronics, ComponentLink7URL=https://datasheet.octopart.com:443/CL10C100JB8NNNC-Samsung-datasheet-26669107.pdf?src-supplier=Future+Electronics, ComponentLink8Description=https://datasheet.octopart.com:443/CL10C100JB8NNNC-Samsung-Electro-Mechanics-datasheet-149154128.pdf?src-supplier=Future+Electronics, ComponentLink8URL=https://datasheet.octopart.com:443/CL10C100JB8NNNC-Samsung-Electro-Mechanics-datasheet-149154128.pdf?src-supplier=Future+Electronics, ComponentLink9Description=https://datasheet.octopart.com:443/CL10C100JB8NNNC-Samsung-datasheet-8326407.pdf?src-supplier=TME, ComponentLink9URL=https://datasheet.octopart.com:443/CL10C100JB8NNNC-Samsung-datasheet-8326407.pdf?src-supplier=TME, ComponentLink10Description=https://datasheet.octopart.com:443/CL05C100JB5NNNC-Samsung-Electro-Mechanics-datasheet-136482242.pdf?src-supplier=IHS, ComponentLink10URL=https://datasheet.octopart.com:443/CL05C100JB5NNNC-Samsung-Electro-Mechanics-datasheet-136482242.pdf?src-supplier=IHS, ComponentLink11Description=https://datasheet.octopart.com:443/CL05C100JB5NNNC-Samsung-Electro-Mechanics-datasheet-11758155.pdf?src-supplier=Future+Electronics, ComponentLink11URL=https://datasheet.octopart.com:443/CL05C100JB5NNNC-Samsung-Electro-Mechanics-datasheet-11758155.pdf?src-supplier=Future+Electronics, ComponentLink12Description=https://datasheet.octopart.com:443/CL05C100JB5NNNC-Samsung-Electro-Mechanics-datasheet-110226242.pdf?src-supplier=Future+Electronics, ComponentLink12URL=https://datasheet.octopart.com:443/CL05C100JB5NNNC-Samsung-Electro-Mechanics-datasheet-110226242.pdf?src-supplier=Future+Electronics, ComponentLink13Description=https://datasheet.octopart.com:443/CL05C100JB5NNNC-Samsung-Electro-Mechanics-datasheet-81461703.pdf?src-supplier=Future+Electronics, ComponentLink13URL=https://datasheet.octopart.com:443/CL05C100JB5NNNC-Samsung-Electro-Mechanics-datasheet-81461703.pdf?src-supplier=Future+Electronics, ComponentLink14Description=https://datasheet.octopart.com:443/CL05C100JB5NNNC-Samsung-datasheet-12525757.pdf?src-supplier=Future+Electronics, ComponentLink14URL=https://datasheet.octopart.com:443/CL05C100JB5NNNC-Samsung-datasheet-12525757.pdf?src-supplier=Future+Electronics, ComponentLink15Description=https://datasheet.octopart.com:443/CL05C100JB5NNNC-Samsung-Electro-Mechanics-datasheet-149136756.pdf?src-supplier=Future+Electronics, ComponentLink15URL=https://datasheet.octopart.com:443/CL05C100JB5NNNC-Samsung-Electro-Mechanics-datasheet-149136756.pdf?src-supplier=Future+Electronics, ComponentLink16Description=https://datasheet.octopart.com:443/CL05C100JB5NNNC-Samsung-datasheet-37081328.pdf?src-supplier=Future+Electronics, ComponentLink16URL=https://datasheet.octopart.com:443/CL05C100JB5NNNC-Samsung-datasheet-37081328.pdf?src-supplier=Future+Electronics, ComponentLink17Description=https://datasheet.octopart.com/CL05C100JB5NNNC-Samsung-Electro-Mechanics-datasheet-97040617.pdf, ComponentLink17URL=https://datasheet.octopart.com/CL05C100JB5NNNC-Samsung-Electro-Mechanics-datasheet-97040617.pdf, ComponentLink18Description=https://datasheet.octopart.com/CL05C100JB5NNNC-Samsung-Electro-Mechanics-datasheet-8324245.pdf, ComponentLink18URL=https://datasheet.octopart.com/CL05C100JB5NNNC-Samsung-Electro-Mechanics-datasheet-8324245.pdf, ComponentLink19Description=https://datasheet.octopart.com:443/CL05C100JB5NNNC-Samsung-datasheet-59220082.pdf?src-supplier=TME, ComponentLink19URL=https://datasheet.octopart.com:443/CL05C100JB5NNNC-Samsung-datasheet-59220082.pdf?src-supplier=TME, Supplier=LCSC